# Altium PCB cam_cross_link.PcbDoc (part 3 of 4)
Units mm, origin at the board's own origin, x right, y up, seen from the top; angles counter-clockwise.
Board outline 68.55 x 39.09 mm, 6 copper layers (Signal_T, GND_T, PWR, Signal_INT, GND_B, Signal_B), stack 0.816 mm thick; 186 components, 134 nets, 893 pads, 753 vias.
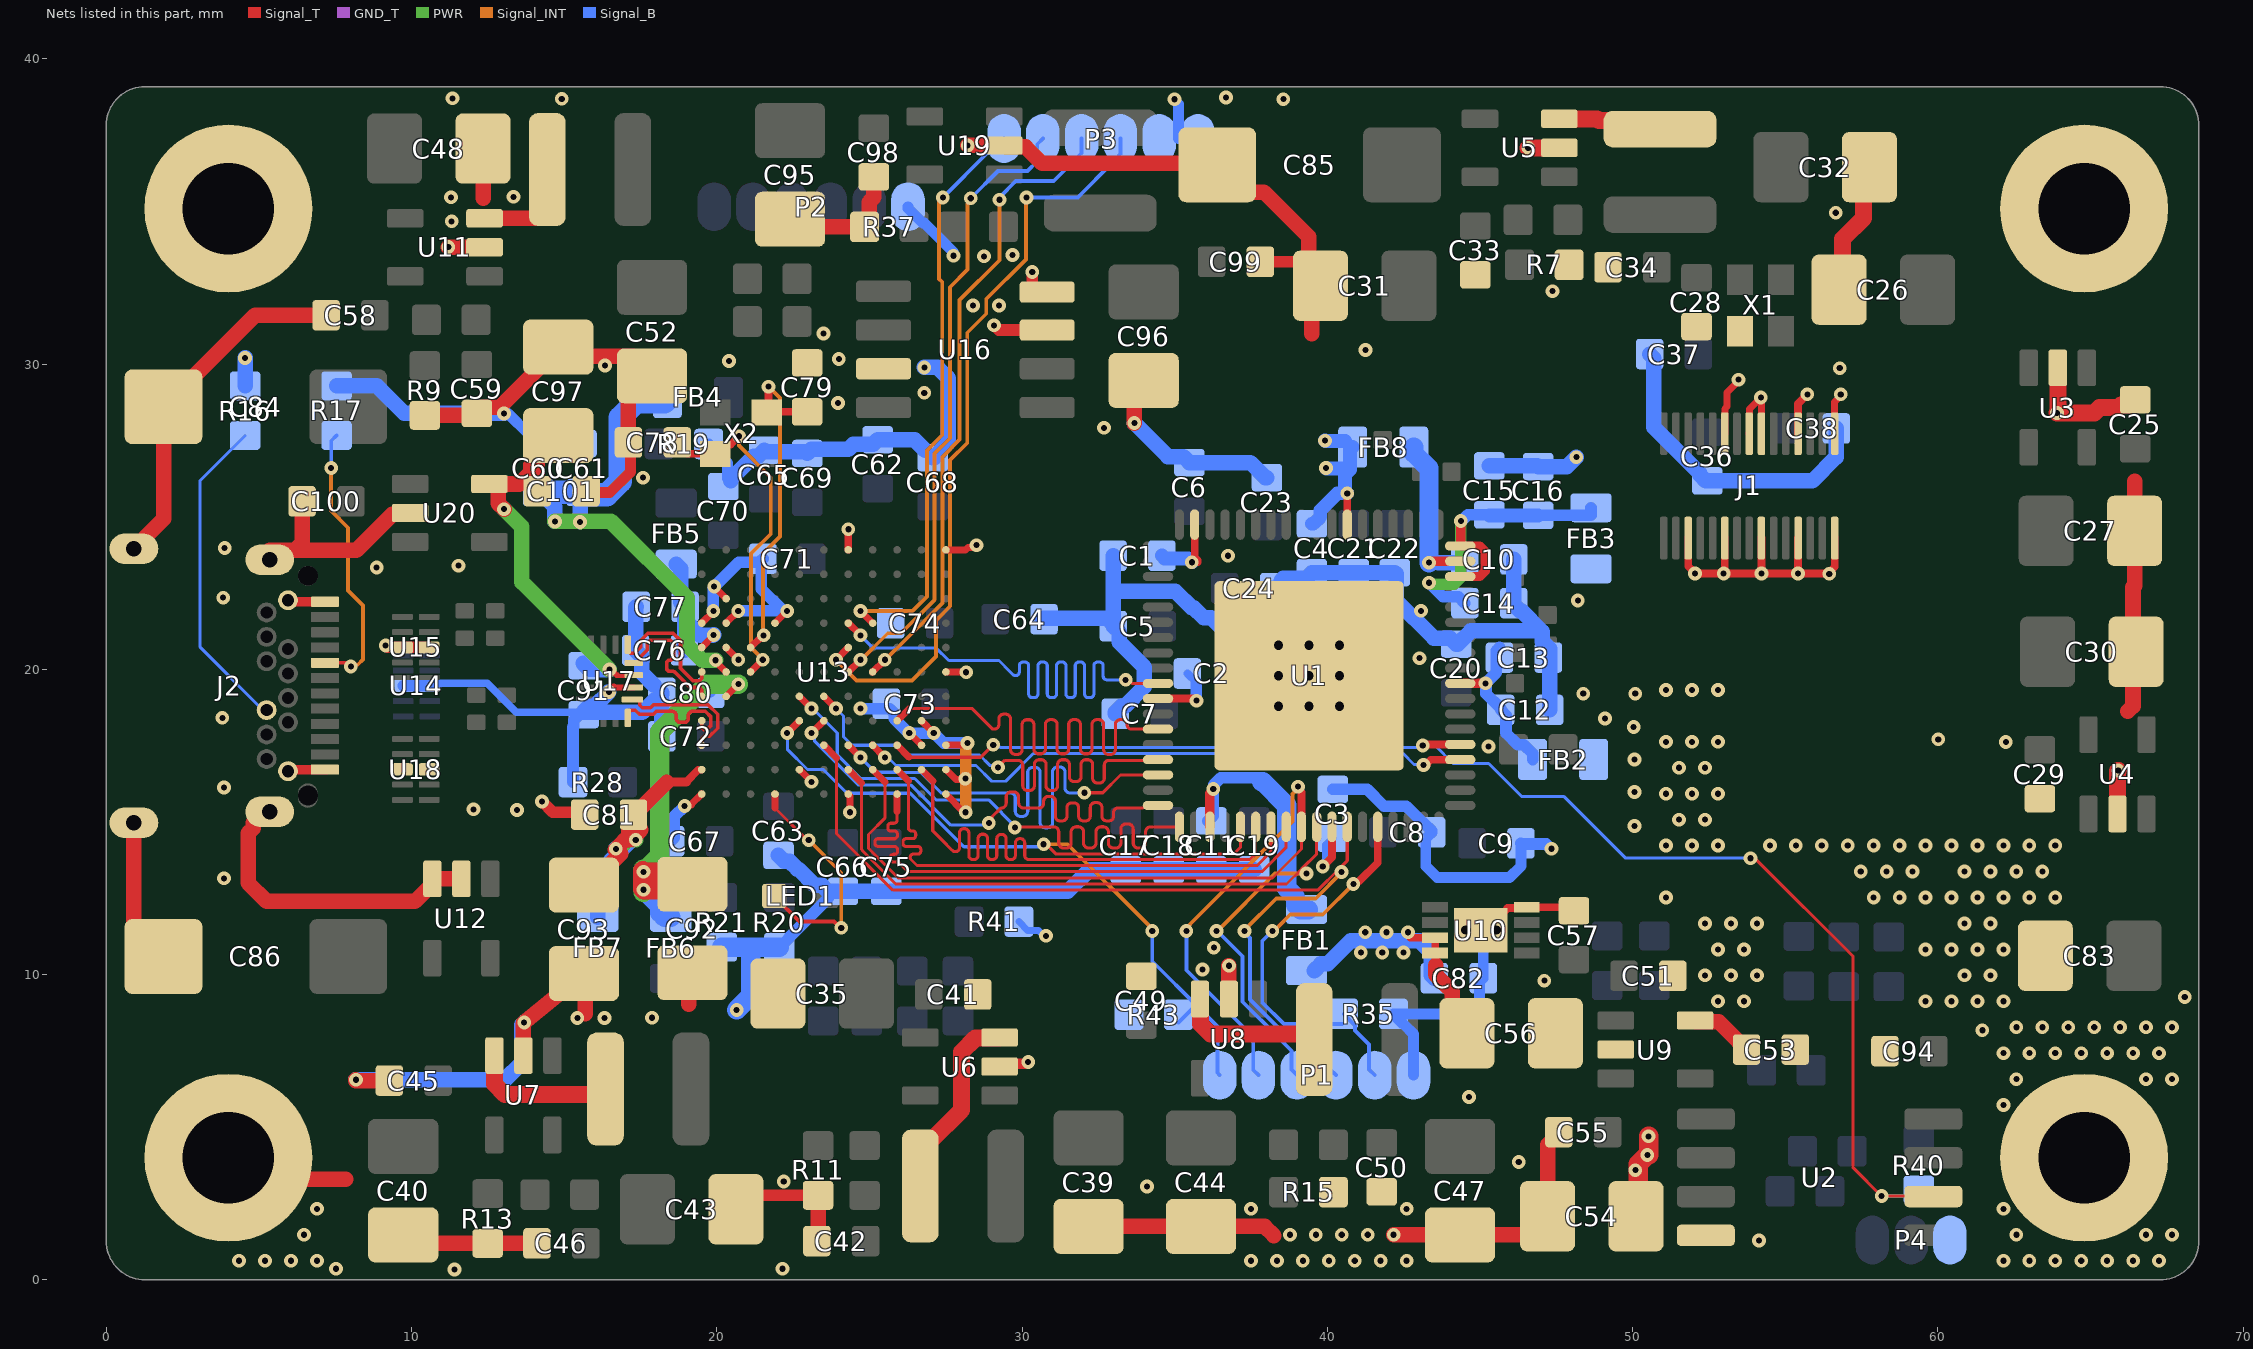
[diagram p7: the nets of this part, all layers, seen from the top]

## Via types
v1: diameter 0.45, hole 0.2, Signal_T to Signal_B, tented both sides, 740 vias
v2: diameter 0.5, hole 0.3, Signal_T to Signal_B, 9 vias
v3: diameter 0.45/0.45/0.45/0.45/0.45/0.45 (per signal layer), hole 0.2, Signal_T to Signal_B, tented both sides, 2 vias
v4: diameter 0.7, hole 0.3, Signal_T to Signal_B, 2 vias

## Nets (pads, with @x,y where several pads share a name; then routed paths per layer and width w, separated by ;. In a path a pad name is that pad's centre, name@x,y a point inside that pad or via, vN(x,y) a via of type N, cw(c..) or ccw(c..) an arc to the next point about the centre after c; other vN are vias at no path point) (continued)
FPGA_D15: U1.28 U13.G8 | length 20.2
  Signal_T w0.102: v1(33.395,19.654) 33.489,19.654 33.603,19.54 U1.28@34.455,19.54
  Signal_T w0.229: U13.G8@24.307,21.513 v1@24.703,21.118
  Signal_B w0.102: v1@24.703,21.117 25.125,20.695 27.194,20.695 27.603,20.286 29.244,20.286 29.616,19.914 29.703,19.827 ccw(c29.789,19.913) 29.911,19.913 29.911,20.114 cw(c30.033,20.114) 30.033,20.236 30.095,20.236 cw(c30.095,20.114) 30.217,20.114 30.217,19.193 ccw(c30.339,19.193) 30.339,19.071 30.4,19.071 ccw(c30.4,19.193) 30.522,19.193 30.522,20.114 cw(c30.644,20.114) 30.644,20.236 30.705,20.236 cw(c30.705,20.114) 30.827,20.114 30.827,19.193 ccw(c30.949,19.193) 30.949,19.071 31.01,19.071 ccw(c31.01,19.193) 31.132,19.193 31.132,20.114 cw(c31.254,20.114) 31.254,20.236 31.315,20.236 cw(c31.315,20.114) 31.437,20.114 31.437,19.193 ccw(c31.559,19.193) 31.559,19.071 31.621,19.071 ccw(c31.621,19.193) 31.743,19.193 31.743,20.114 cw(c31.865,20.114) 31.865,20.236 31.926,20.236 cw(c31.926,20.114) 32.048,20.114 32.048,19.193 ccw(c32.17,19.193) 32.17,19.071 32.231,19.071 ccw(c32.231,19.193) 32.353,19.193 32.353,20.114 cw(c32.475,20.114) 32.475,20.236 32.536,20.236 cw(c32.536,20.114) 32.658,20.114 32.658,19.776 ccw(c32.78,19.776) 32.78,19.654 32.995,19.654 v1(33.395,19.654)
  other v1: 24.707,21.113
FPGA_D16: U1.42 U13.K2 | length 19.5
  Signal_T w0.094: 30.582,13.765 37.021,13.765
  Signal_T w0.102: 27.076,16.344 27.076,14.707 27.35,14.433 27.717,14.066 ccw(c27.814,14.163) 27.952,14.163 27.952,14.642 cw(c28.089,14.642) 28.089,14.779 28.12,14.779 cw(c28.12,14.642) 28.257,14.642 28.257,13.902 ccw(c28.394,13.902) 28.394,13.765 28.425,13.765 ccw(c28.425,13.902) 28.562,13.902 28.562,14.46 cw(c28.7,14.46) 28.7,14.597 28.73,14.597 cw(c28.73,14.46) 28.867,14.46 28.867,13.902 ccw(c29.005,13.902) 29.005,13.765 29.035,13.765 ccw(c29.035,13.902) 29.173,13.902 29.173,14.452 cw(c29.31,14.452) 29.31,14.589 29.34,14.589 cw(c29.34,14.452) 29.478,14.452 29.478,13.902 ccw(c29.615,13.902) 29.615,13.765 29.646,13.765 ccw(c29.646,13.902) 29.783,13.902 29.783,14.315 cw(c29.92,14.315) 29.92,14.453 29.951,14.453 cw(c29.951,14.315) 30.088,14.315 30.088,13.902 ccw(c30.226,13.902) 30.226,13.765 30.582,13.765 ; 37.021,13.765 37.023,13.767 37.465,13.767 37.655,13.956 U1.42@37.655,14.84
  Signal_T w0.229: U13.K2@26.707,16.713 27.076,16.344
FPGA_D17: U1.31 U13.J4 | length 19.7
  Signal_T w0.102: 26.314,18.72 28.358,18.72 29.038,18.04 29.089,18.04 ccw(c29.089,18.192) 29.242,18.192 29.242,18.377 cw(c29.394,18.377) 29.394,18.53 29.471,18.53 cw(c29.471,18.377) 29.623,18.377 29.623,17.365 ccw(c29.776,17.365) 29.776,17.212 29.852,17.212 ccw(c29.852,17.365) 30.005,17.365 30.005,18.196 cw(c30.157,18.196) 30.157,18.349 30.233,18.349 cw(c30.233,18.196) 30.386,18.196 30.386,17.385 ccw(c30.538,17.385) 30.538,17.232 30.615,17.232 ccw(c30.615,17.385) 30.767,17.385 30.767,18.197 cw(c30.92,18.197) 30.92,18.349 30.996,18.349 cw(c30.996,18.197) 31.149,18.197 31.149,17.385 ccw(c31.301,17.385) 31.301,17.232 31.378,17.232 ccw(c31.378,17.385) 31.53,17.385 31.53,18.197 cw(c31.683,18.197) 31.683,18.349 31.759,18.349 cw(c31.759,18.197) 31.912,18.197 31.912,17.385 ccw(c32.064,17.385) 32.064,17.232 32.14,17.232 ccw(c32.14,17.385) 32.293,17.385 32.293,18.197 cw(c32.445,18.197) 32.445,18.349 32.522,18.349 cw(c32.522,18.197) 32.674,18.197 32.674,17.365 ccw(c32.827,17.365) 32.827,17.212 32.903,17.212 ccw(c32.903,17.365) 33.056,17.365 33.056,18.197 cw(c33.208,18.197) 33.208,18.349 33.285,18.349 cw(c33.285,18.197) 33.437,18.197 33.437,18.192 ccw(c33.59,18.192) 33.59,18.04 33.884,18.04 U1.31@34.455,18.04
  Signal_T w0.229: U13.J4@25.907,18.313 26.314,18.72
FPGA_D19: U1.43 U13.J2 | length 17.2
  Signal_T w0.094: 26.558,13.574 37.704,13.574
  Signal_T w0.102: 26.278,16.342 26.278,15.672 26.278,14.808 ccw(c26.38,14.808) 26.38,14.706 26.415,14.706 cw(c26.415,14.604) 26.517,14.604 26.517,14.554 cw(c26.415,14.554) 26.415,14.452 26.2,14.452 ccw(c26.2,14.35) 26.098,14.35 26.098,14.299 ccw(c26.2,14.299) 26.2,14.197 26.582,14.197 cw(c26.582,14.096) 26.684,14.096 26.684,14.045 cw(c26.582,14.045) 26.582,13.943 26.435,13.943 ccw(c26.435,13.841) 26.363,13.769 26.545,13.587 26.558,13.574 ; 37.704,13.574 38.151,14.021 38.151,14.836 U1.43@38.155,14.84
  Signal_T w0.229: U13.J2@25.907,16.713 26.278,16.342
FPGA_D20: R40.2 U1.59 U2.6 U13.J3 | length 47.1
  Signal_T w0.102: 26.301,17.12 28.651,17.12 v1(29.058,17.526) ; v1(53.866,13.812) 53.932,13.745 54.074,13.745 57.226,10.593 57.226,3.666 58.149,2.743 59.838,2.743 U2.6@59.855,2.726
  Signal_T w0.229: U13.J3@25.907,17.513 26.301,17.12
  Signal_T w0.254: v1(43.129,17.501) 43.168,17.54 U1.59@44.355,17.54
  Signal_B w0.096: v1(29.058,17.526) 29.124,17.459 29.267,17.459 29.291,17.435 43.064,17.435 v1(43.129,17.501) 43.536,17.501 44.12,16.916 45.288,16.916 46.365,15.84 47.746,15.84 47.76,15.825 47.764,15.825 49.777,13.812 v1(53.866,13.812)
  Signal_B w0.102: v1(58.162,2.746) 59.179,2.746 R40.2@59.379,2.946
FPGA_D21: U1.44 U13.J1 | length 18.2
  Signal_T w0.096: 26.263,13.371 37.859,13.371 38.642,14.154
  Signal_T w0.102: 25.907,15.342 25.907,15.059 cw(c25.806,15.059) 25.806,14.958 25.705,14.958 ccw(c25.705,14.856) 25.603,14.856 25.603,14.805 ccw(c25.705,14.805) 25.705,14.703 25.814,14.703 cw(c25.814,14.601) 25.916,14.601 25.916,14.551 cw(c25.814,14.551) 25.814,14.449 25.283,14.449 ccw(c25.283,14.347) 25.181,14.347 25.181,14.296 ccw(c25.283,14.296) 25.283,14.194 25.821,14.194 cw(c25.821,14.093) 25.922,14.093 25.922,14.042 cw(c25.821,14.042) 25.821,13.94 25.792,13.94 ccw(c25.792,13.838) 25.69,13.838 25.69,13.787 ccw(c25.792,13.787) 25.792,13.686 25.906,13.686 cw(c25.906,13.584) 25.978,13.656 26.05,13.584 26.263,13.371 ; 38.642,14.154 38.642,14.827 U1.44@38.655,14.84
  Signal_T w0.229: 25.907,15.342 U13.J1@25.907,15.913
FPGA_D22: P1.5 U1.45 U13.H2 | length 31.8
  Signal_T w0.096: 25.516,15.14 24.968,14.592 24.968,14.138 25.944,13.162 38.206,13.162 39.155,14.11
  Signal_T w0.102: 25.516,15.14 25.516,16.305 ; 39.155,14.11 U1.45@39.155,14.84
  Signal_T w0.229: U13.H2@25.107,16.713 25.516,16.305
  Signal_T w0.254: U1.45@39.155,14.84 v1@39.155,15.973
  Signal_INT w0.127: v1(35.382,11.43) 35.382,11.517 35.498,11.633 35.498,11.648 38.862,15.011 38.862,15.916 39.04,16.094 v1(39.04,16.154)
  Signal_B w0.127: v1(35.382,11.43) 35.382,10.141 37.575,7.949 37.575,6.875 P1.5@37.744,6.706
FPGA_D23: U1.58 U13.H3 | length 20.3
  Signal_T w0.229: U13.H3@25.107,17.513 v1@25.501,17.12
  Signal_T w0.254: v1(43.155,16.866) 43.221,16.866 43.395,17.04 U1.58@44.355,17.04
  Signal_B w0.096: v1@25.502,17.12 25.595,17.12 25.719,16.995 ; 25.72,16.995 25.868,16.848 28.491,16.848 29.007,16.332 29.464,16.332 30.369,17.238 42.486,17.238 42.841,16.882 43.138,16.882 v1(43.155,16.866)
  other v1: 25.507,17.113
FPGA_D24: U1.36 U13.F4 | length 17.4
  Signal_T w0.102: v1(28.914,14.962) 28.914,15.056 29.028,15.17 29.028,15.178 29.269,15.42 29.307,15.458 29.32,15.458 ccw(c29.32,15.621) 29.483,15.621 29.483,15.822 cw(c29.646,15.822) 29.646,15.984 29.727,15.984 cw(c29.727,15.822) 29.89,15.822 29.89,15.621 ccw(c30.052,15.621) 30.052,15.458 30.505,15.458 30.556,15.458 ccw(c30.556,15.61) 30.709,15.61 30.709,15.685 cw(c30.861,15.685) 30.861,15.837 30.938,15.837 cw(c30.938,15.685) 31.09,15.685 31.09,15.186 ccw(c31.243,15.186) 31.243,15.033 31.319,15.033 ccw(c31.319,15.186) 31.472,15.186 31.472,15.473 cw(c31.625,15.473) 31.625,15.625 31.701,15.625 cw(c31.701,15.473) 31.854,15.473 31.854,15.187 ccw(c32.006,15.187) 32.006,15.034 32.083,15.034 ccw(c32.083,15.187) 32.235,15.187 32.235,15.478 cw(c32.388,15.478) 32.388,15.63 32.464,15.63 cw(c32.464,15.478) 32.617,15.478 32.617,15.187 ccw(c32.769,15.187) 32.769,15.034 32.846,15.034 ccw(c32.846,15.187) 32.998,15.187 32.998,15.305 cw(c33.151,15.305) 33.151,15.458 33.731,15.458 33.969,15.458 34.051,15.54 U1.36@34.455,15.54
  Signal_T w0.229: v1@23.139,17.958 23.152,17.958 U13.F4@23.507,18.313
  Signal_B w0.102: v1@23.139,17.958 23.206,17.891 23.206,17.64 24.634,16.213 26.349,16.213 27.668,14.894 28.68,14.894 28.847,14.895 v1(28.914,14.962)
  other v1: 23.107,17.913
FPGA_D25: P1.4 U1.46 U13.G2 | length 29
  Signal_T w0.096: 24.74,14.097 24.74,16.281 ; 24.777,14.058 25.865,12.97 ; 25.873,12.963 38.668,12.963 v1@39.158,13.453
  Signal_T w0.102: 24.74,14.097 24.777,14.06 24.777,14.058 ; 25.865,12.97 25.867,12.97 25.873,12.963 ; v1@39.167,13.462 39.647,13.942 39.647,14.832 U1.46@39.655,14.84
  Signal_T w0.229: U13.G2@24.307,16.713 24.74,16.281
  Signal_INT w0.127: v1(36.373,11.43) 36.398,11.43 38.278,13.31 v1(39.319,13.31)
  Signal_B w0.127: v1(36.373,11.43) 36.394,11.43 37.223,10.601 37.223,9.111 38.398,7.936 38.828,7.505 38.828,6.892 P1.4@39.014,6.706
FPGA_D26: U1.34 U13.G3 | length 17.5
  Signal_T w0.102: v1(32.042,15.957) 32.645,15.957 33.227,16.54 U1.34@34.455,16.54
  Signal_T w0.229: U13.G3@24.307,17.513 24.699,17.122 v1@24.701,17.122
  Signal_B w0.102: v1@24.701,17.122 25.196,16.627 25.819,16.627 25.822,16.624 26.671,16.624 27.345,15.951 29.159,15.951 29.617,15.951 cw(c29.617,15.788) 29.78,15.788 29.78,15.345 ccw(c29.942,15.345) 29.942,15.182 30.024,15.182 ccw(c30.024,15.345) 30.186,15.345 30.186,16.622 cw(c30.349,16.622) 30.349,16.785 30.43,16.785 cw(c30.43,16.622) 30.593,16.622 30.593,14.973 ccw(c30.756,14.973) 30.756,14.81 30.837,14.81 ccw(c30.837,14.973) 31,14.973 31,16.636 cw(c31.163,16.636) 31.163,16.799 31.244,16.799 cw(c31.244,16.636) 31.407,16.636 31.407,16.114 ccw(c31.569,16.114) 31.569,15.951 32.036,15.951 v1(32.042,15.957)
  other v1: 24.707,17.113
FPGA_D27: P1.3 U1.48 U13.F3 | length 32.5
  Signal_T w0.096: 23.927,17.094 23.927,14.605 25.768,12.764 39.688,12.764 v1@40.386,13.462
  Signal_T w0.102: v1@40.488,13.564 40.655,13.731 U1.48@40.655,14.84
  Signal_T w0.229: U13.F3@23.507,17.513 23.927,17.094
  Signal_INT w0.127: v1(37.287,11.43) 37.287,11.455 38.329,12.497 39.624,12.497 v1@40.488,13.36
  Signal_B w0.127: v1(37.287,11.43) 37.287,11.372 37.466,11.193 37.466,9.186 38.539,8.113 39.529,8.113 40.098,7.543 40.098,6.892 P1.3@40.284,6.706
  other v1: 40.462,13.36
FPGA_D28: U1.33 U13.F5 | length 18.3
  Signal_T w0.102: v1(29.21,16.789) 29.439,17.019 29.872,17.019 cw(c29.872,16.866) 30.024,16.866 30.024,16.182 ccw(c30.177,16.182) 30.177,16.03 30.253,16.03 ccw(c30.253,16.182) 30.406,16.182 30.406,16.886 cw(c30.558,16.886) 30.558,17.038 30.634,17.038 cw(c30.634,16.886) 30.787,16.886 30.787,16.183 ccw(c30.94,16.183) 30.94,16.031 31.016,16.031 ccw(c31.016,16.183) 31.168,16.183 31.168,16.886 cw(c31.321,16.886) 31.321,17.038 31.397,17.038 cw(c31.397,16.886) 31.55,16.886 31.55,16.476 ccw(c31.702,16.476) 31.702,16.323 31.779,16.323 ccw(c31.779,16.476) 31.931,16.476 31.931,16.886 cw(c32.084,16.886) 32.084,17.038 32.16,17.038 cw(c32.16,16.886) 32.313,16.886 32.313,16.43 ccw(c32.465,16.43) 32.465,16.277 32.541,16.277 ccw(c32.541,16.43) 32.694,16.43 32.694,16.866 cw(c32.847,16.866) 32.847,17.019 33.807,17.019 33.839,17.019 34.434,17.019 U1.33@34.455,17.04
  Signal_T w0.229: U13.F5@23.507,19.113 v1@23.876,18.745
  Signal_B w0.102: v1@23.876,18.745 24.151,18.471 24.151,17.787 24.425,17.512 25.922,17.512 26.243,17.191 28.605,17.191 28.943,16.853 29.146,16.853 v1(29.21,16.789)
  other v1: 23.907,18.713
FPGA_D30: U1.37 U13.E5 | length 19.3
  Signal_T w0.102: v1(29.765,14.817) 29.787,14.84 30.582,14.84 31.039,14.84 cw(c31.039,14.677) 31.202,14.677 31.202,14.308 ccw(c31.365,14.308) 31.365,14.146 31.446,14.146 ccw(c31.446,14.308) 31.609,14.308 31.609,14.678 cw(c31.771,14.678) 31.771,14.841 31.853,14.841 cw(c31.853,14.678) 32.016,14.678 32.016,14.308 ccw(c32.178,14.308) 32.178,14.146 32.26,14.146 ccw(c32.26,14.308) 32.422,14.308 32.422,14.678 cw(c32.585,14.678) 32.585,14.841 32.666,14.841 cw(c32.666,14.678) 32.829,14.678 32.829,14.308 ccw(c32.992,14.308) 32.992,14.146 33.073,14.146 ccw(c33.073,14.308) 33.236,14.308 33.236,14.77 cw(c33.399,14.77) 33.399,14.933 33.48,14.933 cw(c33.48,14.77) 33.643,14.77 33.643,14.308 ccw(c33.806,14.308) 33.806,14.146 33.887,14.146 ccw(c33.887,14.308) 34.05,14.308 34.05,14.677 cw(c34.212,14.677) 34.212,14.84 34.798,14.84 U1.37@35.155,14.84
  Signal_T w0.229: U13.E5@22.707,19.113 23.089,18.732 v1@23.089,18.72
  Signal_B w0.102: v1@23.089,18.72 23.137,18.72 23.945,17.912 23.945,17.203 24.725,16.423 26.484,16.423 27.184,15.723 28.905,15.723 29.765,14.863 v1(29.765,14.817)
  other v1: 23.107,18.713
FPGA_D31: P1.6 R43.2 U1.41 U13.E4 | length 29.1
  Signal_T w0.094: 31.104,13.955 36.942,13.955
  Signal_T w0.102: v1@22.301,17.868 v1@22.347,17.914 ; v1(30.708,14.268) 30.791,14.268 31.104,13.955 ; 36.942,13.955 37.155,14.168 U1.41@37.155,14.84
  Signal_T w0.229: v1@22.314,17.947 22.341,17.947 U13.E4@22.707,18.313
  Signal_INT w0.127: v1(30.708,14.268) 31.494,14.268 v1@34.144,11.618
  Signal_B w0.102: v1@22.314,17.947 22.314,17.376 22.974,16.716 23.492,16.716 24.269,15.94 26.34,15.94 28.094,14.185 v1@30.55,14.185
  Signal_B w0.127: v1(34.265,11.43) 34.265,10.435 35.782,8.918 ; R43.2@35.129,8.433 35.614,8.918 35.782,8.918 ; P1.6@36.474,6.706 36.398,6.782 36.398,8.302 35.782,8.918
  other v1: 22.307,17.913
FX3_SSRX_N: U13.A3 U17.1 | length 4.5
  Signal_T w0.115: 17.926,18.841 19.715,18.841
  Signal_T w0.117: U17.1@17.235,19.009 17.439,19.009 17.48,18.968 17.48,18.824 17.563,18.741 17.826,18.741 17.926,18.841 ; U13.A3@19.507,17.513 19.507,17.735 19.576,17.804 19.764,17.804 20.027,18.067 20.027,18.529 19.715,18.841
FX3_SSRX_P: U13.A4 U17.16 | length 4.5
  Signal_T w0.117: U17.16@17.085,18.409 17.085,18.609 17.126,18.65 17.183,18.65 17.195,18.662 17.332,18.662 17.473,18.522 17.917,18.522 17.958,18.563 18.017,18.622 18.079,18.622 18.534,18.622 cw(c18.534,18.483) 18.673,18.483 18.673,18.398 ccw(c18.812,18.398) 18.812,18.259 18.932,18.259 ccw(c18.932,18.398) 19.071,18.398 19.071,18.483 cw(c19.21,18.483) 19.21,18.622 19.44,18.622 19.625,18.622 19.808,18.438 19.808,18.158 19.673,18.023 19.576,18.023 19.507,18.092 U13.A4@19.507,18.313
FX3_SSTX_N: U13.A6 U17.5 | length 4.5
  Signal_T w0.117: U17.5@17.085,20.809 17.085,20.609 17.163,20.53 17.315,20.53 17.506,20.722 17.506,20.946 17.735,21.174 18.579,21.174 18.812,20.942 18.812,20.033 19.222,19.623 19.439,19.623 19.507,19.692 U13.A6@19.507,19.913
FX3_SSTX_P: U13.A5 U17.4 | length 4.5
  Signal_T w0.117: U17.4@17.285,20.209 17.442,20.209 17.484,20.25 17.484,20.39 17.533,20.44 17.725,20.631 17.725,20.855 17.825,20.955 18.488,20.955 18.593,20.851 18.593,20.421 cw(c18.475,20.421) 18.475,20.303 18.468,20.303 ccw(c18.468,20.192) 18.356,20.192 18.356,20.043 ccw(c18.468,20.043) 18.468,19.931 18.555,19.931 cw(c18.555,19.814) 18.638,19.897 18.657,19.878 18.927,19.609 19.104,19.431 19.131,19.404 19.439,19.404 19.507,19.335 U13.A5@19.507,19.113
GND: C1.1 C2.1 C3.1 C4.1 C5.1 C6.1 C7.1 C8.1 C9.1 C10.1 C11.1 C12.2 C13.1 C14.1 C15.1 C16.1 C17.1 C18.1 C19.1 C20.1 C21.1 C22.1 C23.1 C24.1 C25.1 C26.2 C27.2 C28.1 C29.1 C30.2 C31.2 C32.2 C33.1 C34.1 C35.2 C36.1 C37.1 C38.1 C39.2 C40.2 C41.1 C42.1 C43.2 C44.2 C45.1 C46.1 C47.2 C48.2 C49.1 C50.1 C51.1 C52.2 C53.1 C54.2 C55.1 C56.2 C57.1 C58.1 C59.1 C60.1 C61.1 C62.1 C63.1 C64.1 C65.1 C66.1 C67.1 C68.1 C69.1 C70.1 C71.1 C72.1 C73.1 C74.1 C75.1 C76.1 C77.1 C78.1 C79.1 C80.1 C81.1 C82.1 C83.2 C84.2 C85.2 C86.2 C91.1 C92.2 C93.2 C94.1 C95.2 C96.2 C97.2 C98.1 C99.1 C100.1 C101.1 J1.3 J1.6 J1.9 J1.12 J1.15 J1.16 J1.19 J1.22 J1.23 J1.25 J2.0 J2.A1 J2.A12 J2.B1 J2.B12 P1.1 P2.1 P3.5 P3.6 P4.3 pad.0 R7.2 R9.2 R11.2 R13.2 R15.2 R16.2 R17.2 R19.2 R20.2 R21.2 R28.2 R35.1 R37.2 R41.2 R43.1 U1.73 U2.4 U3.2 U4.2 U5.2 U6.2 U7.2 U8.2 U9.2 U10.4 U10.9 U11.2 U12.2 U12.3 U13.A1 U13.A8 U13.B7 U13.B8 U13.B9 U13.D8 U13.E2 U13.G1 U13.G11 U13.K3 U13.K4 U13.L1 U13.L2 U13.L3 U13.L6 U13.L11 U14.3 U14.8 U15.3 U15.8 U16.3 U16.4 U16.7 U17.2 U18.3 U18.8 U19.2 U20.2 X1.2 | length 331.9
  Signal_T w0.203: v1@16.618,19.409 U17.2@17.285,19.409
  Signal_T w0.229: v1@19.161,15.567 U13.A1@19.507,15.913 ; U13.A8@19.507,21.513 v1@19.888,21.894 ; v1@19.914,22.707 U13.B9@20.307,22.313 ; U13.B7@20.307,20.713 20.701,20.32 v1@20.726,20.32 ; U13.B8@20.307,21.513 20.705,21.911 v1(20.705,21.913) v1@20.705,21.919 ; U13.D8@21.907,21.513 22.289,21.895 v1@22.301,21.895 ; U13.E2@22.707,16.713 v1@23.114,16.307 ; U13.G1@24.307,15.913 24.307,15.901 24.359,15.85 v1(24.359,15.316) ; v1@26.289,17.907 26.314,17.907 U13.K3@26.707,17.513 ; U13.K4@26.707,18.313 27.104,17.917 v1@27.104,17.914 ; U13.L1@27.507,15.913 28.105,15.316 v1(28.154,15.316) ; U13.L2@27.507,16.713 27.832,16.389 28.115,16.389 v1(28.143,16.417) ; U13.L6@27.507,19.913 27.512,19.909 28.164,19.909 v1(28.169,19.904) ; U13.L11@27.507,23.913 28.153,23.913 28.232,23.992 28.46,23.992 v1@28.509,24.041 ; 27.662,17.522 27.516,17.522 U13.L3@27.507,17.513 28.054,17.513 28.182,17.641 28.213,17.61 v1(28.213,17.587) ; J1.25@53.023,27.72 53.023,28.535 53.101,28.613 53.101,29.072 53.468,29.44 v1(53.468,29.488) ; J1.23@53.823,27.72 53.828,27.725 53.828,28.529 v1(54.204,28.905) 54.223,28.886 J1.22@54.223,27.72 ; J1.16@56.623,27.72 56.623,28.762 56.82,28.96 v1(56.82,29.007)
  Signal_T w0.254: v1(16.466,19.257) v1@16.618,19.409 ; v1(18.948,15.519) 18.996,15.567 v1@19.161,15.567 ; U13.G11@24.307,23.913 24.307,24.584 v1(24.311,24.587) ; U10.9@45.359,11.63 45.907,12.178 46.507,12.178 U10.4@46.534,12.205 47.967,12.205 C57.1@48.082,12.09 ; J1.3@51.823,24.3 51.823,23.372 52.045,23.15 v1(52.045,23.139) v1(52.984,23.139) ; J1.6@53.023,24.3 53.023,23.178 v1(52.984,23.139) ; J1.9@54.223,24.3 54.223,23.146 v1(54.229,23.139) ; J1.12@55.423,24.3 v1(55.423,23.139) ; J1.19@55.423,27.72 55.423,28.702 v1(55.728,29.007) ; J1.15@56.623,24.3 56.623,23.359 56.445,23.182 v1(56.445,23.126) 56.432,23.14 v1(55.423,23.139) ; v1(52.984,23.139) v1(54.229,23.139) ; v1(54.229,23.139) v1(55.423,23.139)
  Signal_T w0.305: J2.B1@6.005,16.663 6.055,16.713 J2.A12@7.215,16.713 ; J2.B12@6.005,22.263 6.055,22.213 J2.A1@7.215,22.213
  Signal_T w0.356: C101.1@15.72,25.66 15.851,25.791 16.495,25.791 17.17,26.467 17.17,27.369 C78.1@17.107,27.432 ; U6.2@29.265,6.985 29.357,7.077 30.114,7.077 30.175,7.137 v1(30.201,7.137)
  Signal_T w0.381: v1(9.152,20.777) 9.17,20.777 9.23,20.717 U15.3@9.703,20.717 U15.8@10.577,20.717 ; v1(14.275,15.672) 14.63,15.316 C81.1@15.672,15.316 ; C43.2@20.627,2.311 21.084,2.768 R11.2@23.317,2.768 ; v1(29.083,31.268) 29.236,31.115 U16.3@30.823,31.115 ; v1(30.336,33.013) 30.336,32.519 30.496,32.36 U16.4@30.823,32.36 ; C99.1@37.808,33.35 39.395,33.35 39.774,33.35 C31.2@39.774,32.563
  Signal_T w0.508: J2.0@0.904,14.973 0.904,11.565 ccw(c1.877,11.565) C86.2@1.877,10.592 ; J2.0@0.904,23.953 1.071,23.953 1.298,24.18 1.298,24.347 1.877,24.926 C84.2@1.877,28.6 1.927,28.6 2.898,29.571 2.898,29.621 4.874,31.598 C58.1@7.201,31.598 ; pad.0@4,4 4.698,3.302 7.849,3.302 ; J2.0@5.354,15.333 5.187,15.333 4.82,14.966 4.82,14.799 4.648,14.627 4.648,13.005 5.258,12.395 10.109,12.395 10.85,13.136 U12.2@11.633,13.136 ; J2.0@5.354,23.593 5.354,23.901 6.178,23.901 ; C100.1@6.414,25.502 6.414,24.137 6.178,23.901 ; v1(8.179,6.553) 8.179,6.528 C45.1@9.271,6.528 ; C40.2@9.728,1.471 10.005,1.194 R13.2@12.497,1.194 C46.1@14.11,1.194 ; U20.2@9.876,25.121 9.576,25.121 9.53,25.075 9.369,25.075 8.196,23.901 6.178,23.901 ; R9.2@10.439,28.321 12.141,28.321 C59.1@12.141,28.385 12.337,28.581 12.888,28.581 13.912,29.605 14.558,30.251 17.244,30.251 C52.2@17.882,29.614 17.753,29.614 17.107,28.968 C78.1@17.107,27.432 ; v1(11.201,33.833) U11.2@12.4,33.833 ; C48.2@11.709,36.421 C48.2@12.347,37.059 ; 12.344,35.426 12.347,35.428 ; 12.347,35.458 C48.2@12.347,37.053 ; U7.2@13.665,7.345 13.665,8.407 v1(13.691,8.433) C93.2@15.646,10.031 15.697,9.98 15.697,8.712 ; 19.075,9.025 19.075,9.931 C92.2@19.202,10.058 ; C95.2@22.403,34.745 22.403,34.493 R37.2@24.841,34.493 24.994,34.647 24.994,35.307 25.146,35.458 C98.1@25.146,36.132 ; C42.1@23.279,1.27 23.317,1.308 R11.2@23.317,2.768 ; v1(28.219,37.16) U19.2@29.418,37.16 29.464,37.114 30.12,37.114 30.658,36.576 36.345,36.576 C85.2@36.396,36.525 37.286,35.635 37.924,35.635 39.395,34.163 39.395,33.35 39.395,32.942 C31.2@39.774,32.563 39.497,32.286 39.497,30.988 ; C39.2@32.182,1.75 C44.2@35.865,1.75 37.95,1.75 38.252,1.448 ; v1(33.68,28.067) 33.68,29.462 C96.2@33.985,29.462 ; U8.2@36.779,9.199 v1(36.779,10.287) ; v1(42.175,1.474) 46.608,1.474 C54.2@47.216,2.083 47.216,4.417 47.589,4.79 C55.1@47.589,4.84 ; 66.218,18.618 66.396,18.796 66.396,22.682 66.446,22.733 66.446,26.162
  Signal_T w0.559: v1(46.584,37.084) U5.2@47.604,37.084 ; C26.2@56.767,32.436 56.88,32.549 56.88,34.097 57.572,34.788 57.572,36.259 C32.2@57.762,36.449 ; U3.2@63.932,29.875 63.932,28.423 v1(63.906,28.397) 65.126,28.397 65.299,28.57 65.918,28.57 66.001,28.654 66.295,28.654 C25.1@66.465,28.824 ; U4.2@65.888,15.261 65.888,16.662 v1(65.913,16.688)
  GND_T w0.229: v1(53.468,29.488) v1@53.492,29.464
  Signal_INT w0.381: v1(28.154,15.316) 28.154,17.51 28.213,17.568 v1(28.213,17.587)
  Signal_B w0.229: R41.2@29.896,11.735 30.184,11.447 30.546,11.447 30.726,11.267 v1(30.786,11.267)
  Signal_B w0.254: U14.8@10.597,19.456 10.67,19.529 10.944,19.529 10.956,19.542 12.483,19.542 13.431,18.593 15.571,18.593 C91.1@15.621,18.593
  Signal_B w0.356: v1(13.032,28.384) 13.05,28.366 13.176,28.366 13.826,27.716 13.826,27.666 14.098,27.394 C60.1@14.148,27.394 ; R19.2@19.736,27.381 19.736,27.356 20.033,27.059 20.058,27.059 20.354,26.764 20.354,26.261 20.43,26.184 C70.1@20.466,26.184 ; P2.1@26.264,35.154 26.264,35.105 26.751,34.618 26.799,34.618 27.739,33.678 27.739,33.566 v1(27.757,33.548) ; v1(34.992,38.674) 34.992,38.649 35.128,38.512 35.128,37.389 ; P1.1@42.824,6.706 42.824,8.052 42.486,8.39 42.461,8.39 42.164,8.687 R35.1@42.164,8.712 44.704,8.712 44.983,8.992 44.983,9.754 C82.1@45.11,9.881 45.11,11.423 45.143,11.455 ; C8.1@43.421,14.656 43.227,14.462 43.227,13.564 43.238,13.552 43.238,13.547 43.603,13.183 45.974,13.183 46.342,13.551 C9.1@46.342,14.3 ; v4(44.534,11.455) 45.143,11.455 ; v4(45.534,11.455) 45.143,11.455
  Signal_B w0.381: U14.3@9.723,19.456 U14.8@10.597,19.456 ; R28.2@15.291,16.307 15.291,18.11 15.311,18.131 15.311,18.334 C91.1@15.571,18.593 ; 18.186,14.901 18.232,14.855 18.232,14.627 C67.1@18.492,14.368 18.61,14.486 18.61,15.181 v1(18.948,15.519) ; v1@19.888,21.895 v1(19.888,21.913) 19.888,22.664 19.914,22.689 19.914,22.708 20.715,23.509 21.401,23.509 C71.1@21.463,23.571 ; v1@20.705,21.919 v1@22.176,21.919 ; C71.1@21.514,23.622 C71.1@21.463,23.571 ; R20.2@22.047,10.896 22.072,10.896 22.357,11.181 22.357,11.206 23.647,12.497 C66.1@23.647,12.725 ; v1@22.301,21.895 22.283,21.895 22.259,21.919 v1@22.176,21.919 ; v1@24.72,18.694 24.733,18.707 25.67,18.707 25.814,18.562 25.814,18.382 26.289,17.907 27.097,17.907 27.104,17.914 27.431,17.587 v1(28.213,17.587) ; C3.1@40.183,16.065 41.313,16.065 41.859,15.519 42.591,15.519 42.818,15.292 42.82,15.292 43.147,14.965 43.162,14.965 43.421,14.706 C8.1@43.421,14.656 ; C9.1@46.342,14.3 46.364,14.279 47.171,14.279 47.327,14.122 v1(47.346,14.122) ; C71.1@21.463,23.571 21.463,22.631 v1@22.176,21.919
  Signal_B w0.508: v1(4.547,30.201) 4.547,29.291 R16.2@4.551,29.286 ; R17.2@7.544,29.286 8.864,29.286 9.767,28.384 v1(13.032,28.384) ; v1(8.179,6.553) 13.056,6.553 13.614,7.112 13.614,8.357 v1(13.691,8.433) ; v1(16.466,19.257) 15.998,18.789 15.817,18.789 15.621,18.593 17.564,18.593 17.953,18.982 18.003,18.982 18.199,19.178 C80.1@18.199,19.228 ; C77.1@17.361,22.047 17.351,22.038 17.351,20.632 C76.1@17.342,20.623 17.538,20.427 17.538,19.889 C80.1@17.953,19.474 ; C72.1@18.199,17.682 C72.1@18.199,17.805 C80.1@18.199,18.982 ; C70.1@20.466,26.184 20.466,26.234 21.215,26.984 21.363,26.984 C65.1@21.559,27.18 21.613,27.125 22.912,27.125 C69.1@22.967,27.071 23.099,27.203 24.308,27.203 24.476,27.372 25.124,27.372 C62.1@25.273,27.521 26.48,27.521 C68.1@26.83,27.17 ; C63.1@22.022,13.907 22.218,13.711 22.387,13.711 22.643,13.455 22.674,13.455 23.208,12.921 23.451,12.921 23.647,12.725 C66.1@24.13,12.725 C75.1@25.552,12.725 31.496,12.725 32.202,13.432 C17.1@33.401,13.432 C18.1@34.803,13.432 C11.1@36.206,13.432 C19.1@37.608,13.432 ; v1(26.801,29.889) 27.235,29.889 27.584,29.54 27.584,27.432 27.322,27.17 27.322,27.12 27.126,26.924 C68.1@27.076,26.924 ; C64.1@30.67,21.666 C5.1@32.741,21.666 ; C5.1@32.749,21.658 32.799,21.658 C5.1@32.982,21.475 ; C1.1@32.982,23.724 32.982,22.599 ; C7.1@33.058,18.542 33.058,18.592 33.254,18.788 33.368,18.788 34.011,19.431 34.011,20.066 33.191,20.886 33.191,21.216 C5.1@32.995,21.412 32.995,21.462 C5.1@32.982,21.475 ; v1(33.68,28.067) 34.78,26.967 35.288,26.967 C6.1@35.484,26.771 37.48,26.771 37.778,26.474 37.778,26.472 37.974,26.276 C23.1@38.024,26.276 ; C24.1@38.24,22.657 38.23,22.648 38.23,21.72 37.7,21.19 ; v2(38.405,19.79) 38.331,19.863 C2.1@37.02,19.863 37.169,20.012 37.169,20.659 37.7,21.19 ; C24.1@38.486,22.903 38.566,22.983 39.315,22.983 C4.1@39.497,23.165 C21.1@40.869,23.165 C22.1@42.215,23.165 42.256,23.124 42.256,22.26 43.492,21.024 44.027,21.024 C20.1@44.223,20.828 44.273,20.828 44.704,21.26 47.016,21.26 ; C15.1@45.309,26.662 46.886,26.662 C16.1@46.907,26.641 46.909,26.643 47.852,26.643 v1(48.158,26.949) ; C10.1@46.109,23.598 C14.1@46.109,22.167 46.109,22.117 46.305,21.921 46.355,21.921 47.016,21.26 ; C12.2@47.282,18.669 47.282,20.672 47.044,20.91 47.044,21.232 47.016,21.26 ; C37.1@50.559,30.328 50.698,30.188 50.698,27.924 52.204,26.418 52.204,26.368 52.4,26.172 C36.1@52.45,26.172 55.89,26.172 56.671,26.953 56.671,27.88 C38.1@56.68,27.889 ; C5.1@32.982,21.475 32.982,22.599 ; 32.982,22.599 33.026,22.555 35.027,22.555 35.565,22.017 35.623,22.017 35.949,21.692 36.195,21.692 36.697,21.19 37.7,21.19
  Signal_B w0.635: R21.2@20.168,10.896 21.107,10.896 ; v1(20.65,8.839) 21.107,9.296 21.107,10.896 ; R20.2@22.047,10.896 21.107,10.896
  Signal_B w0.762: 14.784,27.392 C61.1@15.221,27.392
  other v1: 11.41,0.336 7.524,0.362 22.155,0.362 4.35,0.624 5.2,0.624 6.05,0.624 6.9,0.624 37.5,0.624 38.35,0.624 39.2,0.624 40.05,0.624 40.9,0.624 41.75,0.624 42.6,0.624 62.15,0.624 63,0.624 63.85,0.624 64.7,0.624 65.55,0.624 66.4,0.624 67.25,0.624 54.146,1.291 6.475,1.474 38.775,1.474 39.625,1.474 40.475,1.474 41.325,1.474 62.575,1.474 66.825,1.474 67.675,1.474 6.9,2.324 37.5,2.324 42.6,2.324 62.15,2.324 34.093,3.054 22.193,3.221 46.272,3.856 62.15,5.724 44.646,5.99 62.575,6.574 66.825,6.574 67.675,6.574 62.15,7.424 63,7.424 63.85,7.424 64.7,7.424 65.55,7.424 66.4,7.424 67.25,7.424 61.461,8.174 62.575,8.274 63.425,8.274 64.275,8.274 65.125,8.274 65.975,8.274 66.825,8.274 67.675,8.274 15.431,8.573 16.32,8.573 17.877,8.586 59.6,9.124 60.45,9.124 61.3,9.124 62.15,9.124 68.091,9.266 47.11,9.8 60.875,9.974 61.725,9.974 35.913,10.164 59.6,10.824 60.45,10.824 61.3,10.824 62.15,10.824 36.284,10.88 60.875,11.674 61.725,11.674 51.1,12.524 57.9,12.524 58.75,12.524 59.6,12.524 60.45,12.524 61.3,12.524 62.15,12.524 63,12.524 63.85,12.524 3.854,13.152 57.475,13.374 58.325,13.374 59.175,13.374 60.875,13.374 61.725,13.374 62.575,13.374 63.425,13.374 51.1,14.224 51.95,14.224 52.8,14.224 54.5,14.224 55.35,14.224 56.2,14.224 57.05,14.224 57.9,14.224 58.75,14.224 59.6,14.224 60.45,14.224 61.3,14.224 62.15,14.224 63,14.224 63.85,14.224 51.525,15.074 52.375,15.074 13.455,15.388 12.033,15.413 51.1,15.924 51.95,15.924 52.8,15.924 3.854,16.124 23.107,16.313 51.525,16.774 52.375,16.774 45.281,17.47 51.1,17.624 51.95,17.624 52.8,17.624 62.23,17.616 60.016,17.706 26.307,17.913 27.107,17.913 3.803,18.41 24.707,18.713 51.1,19.324 51.95,19.324 52.8,19.324 20.707,20.313 43.021,20.366 22.307,21.913 43.072,21.915 3.829,22.347 19.914,22.713 8.858,23.338 11.539,23.395 36.747,23.719 3.879,23.973 28.509,24.067 17.585,26.278 32.683,27.91 23.972,28.722 26.797,29.058 56.788,29.866 16.342,29.954 20.404,30.101 23.998,30.169 41.254,30.458 23.494,30.999 28.392,31.922 29.245,31.922 47.375,32.389 28.753,33.528 29.685,33.575 11.315,34.675 56.658,34.957 11.289,35.462 13.341,35.479 14.922,38.688 38.562,38.679 11.343,38.704 36.681,38.733
  other v2: 38.405,18.79 39.405,18.79 40.405,18.79 39.404,19.79 40.405,19.79 38.405,20.79 39.405,20.79 40.405,20.79
GPIO21: P3.4 U13.G7 | length 24.9
  Signal_T w0.229: v1@23.904,20.31 U13.G7@24.307,20.713
  Signal_INT w0.127: v1@23.903,20.31 24.579,19.634 26.391,19.634 27.178,20.422 27.178,21.601 27.643,22.066 27.643,26.856 28.207,27.419 28.207,31.026 28.829,31.648 28.829,32.131 30.124,33.426 30.124,35.433 v1(30.15,35.458)
  Signal_B w0.127: v1(30.15,35.458) 31.826,35.458 32.968,36.6 32.968,36.621 33.223,36.876 P3.4@33.223,37.389
  other v1: 23.907,20.313
GPIO22: P3.2 U13.G6 | length 21
  Signal_T w0.229: U13.G6@24.307,19.913 24.689,20.295 v1@24.714,20.295
  Signal_INT w0.127: v1@24.714,20.295 25.6,21.18 26.039,21.18 27.135,22.277 27.135,27.067 27.639,27.57 27.639,32.516 28.219,33.096 28.219,35.244 28.321,35.346 v1(28.321,35.433)
  Signal_B w0.127: v1(28.321,35.433) 29.21,36.322 30.175,36.322 30.497,36.644 30.497,37.203 P3.2@30.683,37.389
  other v1: 24.707,20.313
GPIO24: P3.1 U13.H8 | length 19.1
  Signal_T w0.229: v1@24.714,21.907 U13.H8@25.107,21.513
  Signal_INT w0.127: v1@24.714,21.907 26.406,21.907 26.881,22.382 26.881,27.172 27.385,27.676 27.385,32.686 27.28,32.791 27.28,35.384 27.354,35.458 v1(27.407,35.458)
  Signal_B w0.127: v1(27.407,35.458) 28.853,36.905 28.916,36.905 29.4,37.389 P3.1@29.413,37.389
  other v1: 24.707,21.913
GPIO26: P3.3 U13.H6 | length 21.1
  Signal_T w0.229: U13.H6@25.107,19.913 25.489,20.295 v1@25.502,20.295
  Signal_INT w0.127: v1@25.502,20.295 25.837,20.63 25.848,20.63 27.389,22.172 27.389,26.961 27.953,27.525 27.953,32.093 29.261,33.401 v1(29.261,35.382)
  Signal_B w0.127: v1(29.261,35.382) 29.261,35.458 29.794,35.992 31.039,35.992 31.953,36.906 P3.3@31.953,37.389
  other v1: 25.507,20.313
JTAG_EN: P1.2 R35.2 U1.50 | length 12.9
  Signal_T w0.254: v1@41.05,13.063 41.655,13.668 U1.50@41.655,14.84
  Signal_INT w0.127: v1@38.379,11.557 38.786,11.963 39.852,11.963 v1(40.854,12.965)
  Signal_B w0.127: v1(38.202,11.43) 37.871,11.1 37.871,9.087 38.584,8.375 R35.2@40.478,8.375 ; R35.2@40.538,8.712 40.913,8.337 40.913,8.166 41.368,7.711 41.368,6.892 P1.2@41.554,6.706
LDO_1V0: C53.2 C54.1 FB2.1 FB3.1 U9.5 | length 4.9
  Signal_T w0.508: U9.5@52.049,8.494 52.095,8.448 52.83,8.448 53.488,7.79 53.538,7.79 53.734,7.594 C53.2@53.734,7.544
  Signal_T w0.635: C54.1@50.116,2.083 50.188,2.155 50.188,3.793 v1(50.484,4.089) ; v1@50.535,4.089 v1@50.535,4.699
  other v1: 50.093,3.593 50.521,4.699 52.8,9.124 53.65,9.124 52.375,9.974 53.225,9.974 54.075,9.974 52.8,10.824 53.65,10.824 52.375,11.674 53.225,11.674 54.075,11.674 50.063,14.863 50.063,15.981 50.063,17.043 50.038,18.11 49.098,18.39 48.387,19.202 50.089,19.202 48.209,22.25
LDO_1V8: C1.2 C2.2 C3.2 C4.2 C56.1 C82.2 FB1.1 FB8.1 U1.7 U1.17 U1.29 U1.47 U10.7 U10.8 | length 22.5
  Signal_T w0.254: U1.29@34.455,19.04 35.594,19.04 35.659,18.974 v1(35.712,18.974) ; U1.17@35.655,24.74 35.655,23.659 35.684,23.63 35.753,23.561 v1@35.753,23.508 ; v1(39.853,13.538) 40.155,13.84 U1.47@40.155,14.84 ; U1.7@40.655,24.74 v1(40.655,25.764) ; v1@42.727,11.205 U10.7@43.534,11.205 U10.8@43.534,10.705 43.55,10.69 43.55,10.298
  Signal_T w0.508: 43.55,10.298 43.55,9.993 44.094,9.449 44.094,8.583 C56.1@44.651,8.026
  Signal_B w0.254: C2.2@35.42,19.863 C2.2@35.712,19.571 ; v1(39.853,13.538) 39.853,13.591 39.959,13.698 39.959,14.242 C3.2@40.183,14.465
  Signal_B w0.381: v1(35.712,18.974) C2.2@35.712,19.571
  Signal_B w0.445: C4.2@39.497,24.765 39.547,24.765 39.775,24.993 39.775,25.214 40.323,25.763 40.654,25.763 v1(40.655,25.764)
  Signal_B w0.457: C1.2@34.582,23.724 34.669,23.636 35.434,23.636 v1(35.563,23.508) ; v1(39.924,27.49) 39.941,27.473 FB8.1@40.587,27.473 ; v1@39.976,26.575 40.623,26.575 ; v1@40.566,25.795 40.578,25.795 40.578,26.379 40.742,26.543 40.742,27.187 FB8.1@40.834,27.28
  Signal_B w0.508: FB1.1@39.573,10.125 39.794,10.346 40.013,10.346 40.767,11.1 43.028,11.1 43.406,10.722 43.406,9.985 C82.2@43.51,9.881
  other v1: 41.1,10.724 41.8,10.724 42.5,10.724 41.243,11.386 41.943,11.386 42.643,11.386 39.959,26.592
LDO_3V3: C91.2 C97.1 C101.2 U17.3 U20.5 | length 14.1
  Signal_T w0.178: v1(16.485,19.99) 16.537,19.99 16.718,19.809 U17.3@17.285,19.809
  Signal_T w0.508: U20.5@12.552,26.071 U20.5@12.793,26.071 ; v1(13.03,25.248) 12.839,25.439 12.839,26.025 U20.5@12.793,26.071 ; C101.2@14.12,25.66 C97.1@14.12,26.913 ; C97.1@14.808,27.605 14.12,27.605 C97.1@14.12,26.913 ; U20.5@12.793,26.071 13.527,26.071 13.912,26.455 13.912,26.705 C97.1@14.12,26.913
  PWR w0.508: v1(13.03,25.248) 13.614,24.663 13.614,22.86 v1(16.485,19.99)
  Signal_B w0.508: C91.2@15.621,20.193 15.817,19.997 16.157,19.997 16.165,19.99 v1(16.485,19.99)
LED: LED1.A U13.D1 | length 7.9
  Signal_T w0.102: 21.907,15.456 22.962,14.402 v1(23.012,14.402)
  Signal_T w0.127: LED1.A@21.883,12.573 21.883,12.56 22.705,11.737 23.843,11.737 24.049,11.532 v1(24.079,11.532)
  Signal_T w0.229: 21.907,15.456 U13.D1@21.907,15.913
  Signal_INT w0.127: v1(23.012,14.402) 24.079,13.335 v1(24.079,11.532)
NetC10_2: C10.2 FB8.2 U1.71 | length 6
  Signal_T w0.305: v1(43.332,23.495) 43.372,23.495 43.416,23.54 U1.71@44.355,23.54
  Signal_B w0.381: v1(43.332,23.495) 43.637,23.495
  Signal_B w0.508: 43.637,23.495 C10.2@44.272,23.495
  Signal_B w0.635: FB8.2@42.834,27.28 42.834,27.08 43.332,26.581 v1(43.332,23.495)
NetC11_2: C11.2 FB1.2 U1.39 | length 9.3
  Signal_T w0.305: U1.39@36.155,14.84 36.155,15.933 36.265,16.043 v1(36.265,16.082)
  Signal_B w0.381: C11.2@36.092,15.032 36.265,15.204 v1(36.265,16.082) 36.278,16.096 36.278,16.224 36.505,16.451 37.717,16.451 37.848,16.32
  Signal_B w0.635: 37.848,16.32 37.888,16.32 38.668,15.54 38.668,12.831 38.96,12.538 38.96,12.289 39.124,12.125 FB1.2@39.373,12.125
NetC12_1: C12.1 C13.2 FB2.2 U1.63 | length 5.4
  Signal_T w0.305: U1.63@44.355,19.54 v1(45.187,19.54)
  Signal_B w0.381: C13.2@45.64,20.714 45.535,20.609 45.535,19.888 v1(45.187,19.54) 45.2,19.526 45.2,19.201 45.682,18.719 C12.1@45.682,18.669 45.857,18.494 45.857,17.913 46.242,17.528 46.442,17.528 46.727,17.243 FB2.2@46.727,17.043
NetC14_2: C14.2 C15.2 C16.2 FB3.2 U1.70 U1.72 | length 12.3
  Signal_T w0.305: U1.70@44.355,23.04 44.995,23.04 45.174,23.218 45.174,23.861 44.995,24.04 44.397,24.04 44.399,24.042 44.359,24.082 44.377,24.1 v1(44.377,24.855)
  PWR w0.381: v1(43.332,22.835) 43.351,22.835 43.402,22.784 44.154,22.784 44.377,23.007 v1(44.377,24.855)
  Signal_B w0.381: v1(43.332,22.835) 43.79,22.377 44.298,22.377 C14.2@44.509,22.167 ; v1@44.369,24.829 44.602,25.062 C15.2@45.309,25.062 ; C16.2@46.907,25.041 48.641,25.041 FB3.2@48.641,25.292
  Signal_B w0.45: C15.2@45.309,25.041 C16.2@46.907,25.041
NetC60_2: C60.2 C61.2 FB4.2 U13.B6 | length 17
  Signal_T w0.229: v1(19.964,20.296) 19.964,20.256 U13.B6@20.307,19.913
  PWR w0.508: v1(14.696,24.845) 15.504,24.845 v1(15.523,24.827) 15.548,24.852 16.525,24.852 19.025,22.352 19.025,20.803 19.533,20.295 v1(19.964,20.296) v1(19.964,20.296)
  Signal_B w0.508: C60.2@14.188,25.757 14.224,25.794 14.274,25.794 14.47,25.598 14.47,25.548 14.696,25.321 v1(14.696,24.845) ; v1@15.519,24.827 C61.2@15.519,25.718
  Signal_B w0.762: C60.2@14.479,25.801 C61.2@15.353,25.801 ; C61.2@15.519,25.718 16.394,25.718 16.84,26.164 16.84,28.245 17.354,28.759 18.286,28.759 18.38,28.853 FB4.2@18.38,28.905
NetC76_2: C76.2 C77.2 FB5.2 U13.A7 | length 4.4
  Signal_T w0.229: U13.A7@19.507,20.713 19.899,21.105 v1(19.899,21.127)
  Signal_B w0.508: FB5.2@18.669,23.444 18.815,23.298 18.815,22.193 18.951,22.057 18.951,21.407 18.951,20.632 C76.2@18.942,20.623 ; 19.157,21.407 19.455,21.109 19.875,21.109 19.893,21.127 v1(19.899,21.127)
NetC78_2: C78.2 U13.C6 X2.1 | length 11.2
  Signal_T w0.229: U13.C6@21.107,19.913 v1@21.514,20.32
  Signal_T w0.254: C78.2@18.707,27.432 18.707,27.382 19.03,27.059 19.08,27.059 19.081,27.058 X2.1@19.945,27.058 20.243,27.356 20.447,27.356 v1(20.726,27.635)
  Signal_INT w0.127: v1(20.726,27.635) 20.726,27.33 21.768,26.289 21.768,24.435 21.12,23.787 21.12,20.713 v1@21.514,20.32
  other v1: 21.507,20.313
NetC79_2: C79.2 U13.C7 X2.3 | length 11.3
  Signal_T w0.229: U13.C7@21.107,20.713 21.511,21.117 v1@21.536,21.117
  Signal_T w0.254: v1(21.692,29.261) 21.692,28.361 21.766,28.435 C79.2@22.962,28.435
  Signal_INT w0.127: v1@21.536,21.117 21.52,21.133 21.52,23.795 22.07,24.344 22.07,28.883 v1(21.692,29.261)
  other v1: 21.536,21.113
NetC80_2: C80.2 C92.1 FB6.2 U13.B5 | length 16.5
  Signal_T w0.229: U13.B5@20.307,19.113 v1@20.701,19.507
  Signal_T w0.635: v1@17.577,12.812 17.58,13.364 v1@17.581,13.402 ; v1(17.602,13.364) 17.608,13.359 18.802,13.359 C92.1@19.202,12.958 C92.1@19.785,12.376 ; v1@17.608,12.775 C92.1@18.802,12.775
  PWR w0.635: v1@17.588,12.702 v1@17.588,13.447 ; v1(17.602,13.364) 18.136,13.898 18.136,17.958 19.685,19.507 v1@20.701,19.507
  Signal_B w0.305: C80.2@19.799,19.228 20,19.428 20.583,19.428 20.662,19.507 v1@20.701,19.507
  Signal_B w0.635: 17.574,13.023 v1@17.574,13.369 ; v1(17.602,12.78) 18.134,12.248 18.134,12.029 18.291,11.871 FB6.2@18.491,11.871
  other v1: 20.707,19.513
NetC81_2: C81.2 C93.1 FB7.2 U13.A2 | length 10.6
  Signal_T w0.229: U13.A2@19.397,16.704 19.498,16.704 U13.A2@19.507,16.713
  Signal_T w0.254: 18.999,16.307 U13.A2@19.397,16.704
  Signal_T w0.305: 18.364,16.307 18.999,16.307
  Signal_T w0.508: C93.1@15.646,12.931 15.896,12.931 16.542,13.577 16.542,13.649 v1@16.852,13.959 ; v1@16.667,14.084 16.977,14.394 ; 17.109,14.414 17.109,14.912 17.43,15.233 17.43,15.372 18.364,16.307 ; v1@17.199,14.427 17.509,14.736
  PWR w0.508: v1@16.739,14.06 17.093,14.414 v1(17.345,14.414)
  Signal_B w0.508: FB7.2@16.104,11.871 16.104,13.284 16.795,13.976 16.795,14.118 v1(16.694,14.118) ; 16.54,13.754 v1@17.231,14.446
NetJ2_A5: J2.A5 R17.1 | length 9.4
  Signal_T w0.117: J2.A5@7.164,20.213 7.918,20.213 8.066,20.066 8.043,20.089 v1(8.012,20.089)
  Signal_INT w0.127: v1(7.366,26.594) 7.366,25.197 7.925,24.638 7.925,22.581 8.409,22.096 8.409,20.322 8.238,20.151 8.074,20.151 v1(8.012,20.089)
  Signal_B w0.117: v1(7.366,26.594) 7.366,27.483 R17.1@7.544,27.66
NetJ2_B5: J2.B5 R16.1 | length 10.6
  Signal_B w0.102: R16.1@4.551,27.66 3.073,26.183 3.073,20.726 5.137,18.663 J2.B5@5.254,18.663
NetL1_1: L1.1 U5.3 | length 1.9
  Signal_T w0.559: U5.3@47.604,38.034 48.837,38.034 48.895,37.976 L1.1@49.53,37.976
NetL2_1: L2.1 U6.3 | length 4.9
  Signal_T w0.559: L2.1@26.923,4.463 26.988,4.528 28.016,5.557 28.016,7.46 28.471,7.914 29.245,7.914 U6.3@29.265,7.935
NetL3_1: L3.1 U7.3 | length 4.8
  Signal_T w0.559: U7.3@12.715,7.345 12.715,6.411 13.056,6.071 16.177,6.071 L3.1@16.355,6.248
NetL4_1: L4.1 U8.3 | length 4.6
  Signal_T w0.559: U8.3@35.829,9.047 35.85,9.026 35.85,8.378 36.177,8.05 39.251,8.05 39.427,7.874 L4.1@39.57,7.874
NetL5_1: L5.1 U11.3 | length 3.6
  Signal_T w0.508: U11.3@12.4,34.783 14.085,34.783 14.107,34.805 14.42,34.805 14.427,34.798 14.45,34.82 L5.1@14.45,36.373